# Allegro board C000PD020-3399PRO-DMEB-A-A01.brd (continued)
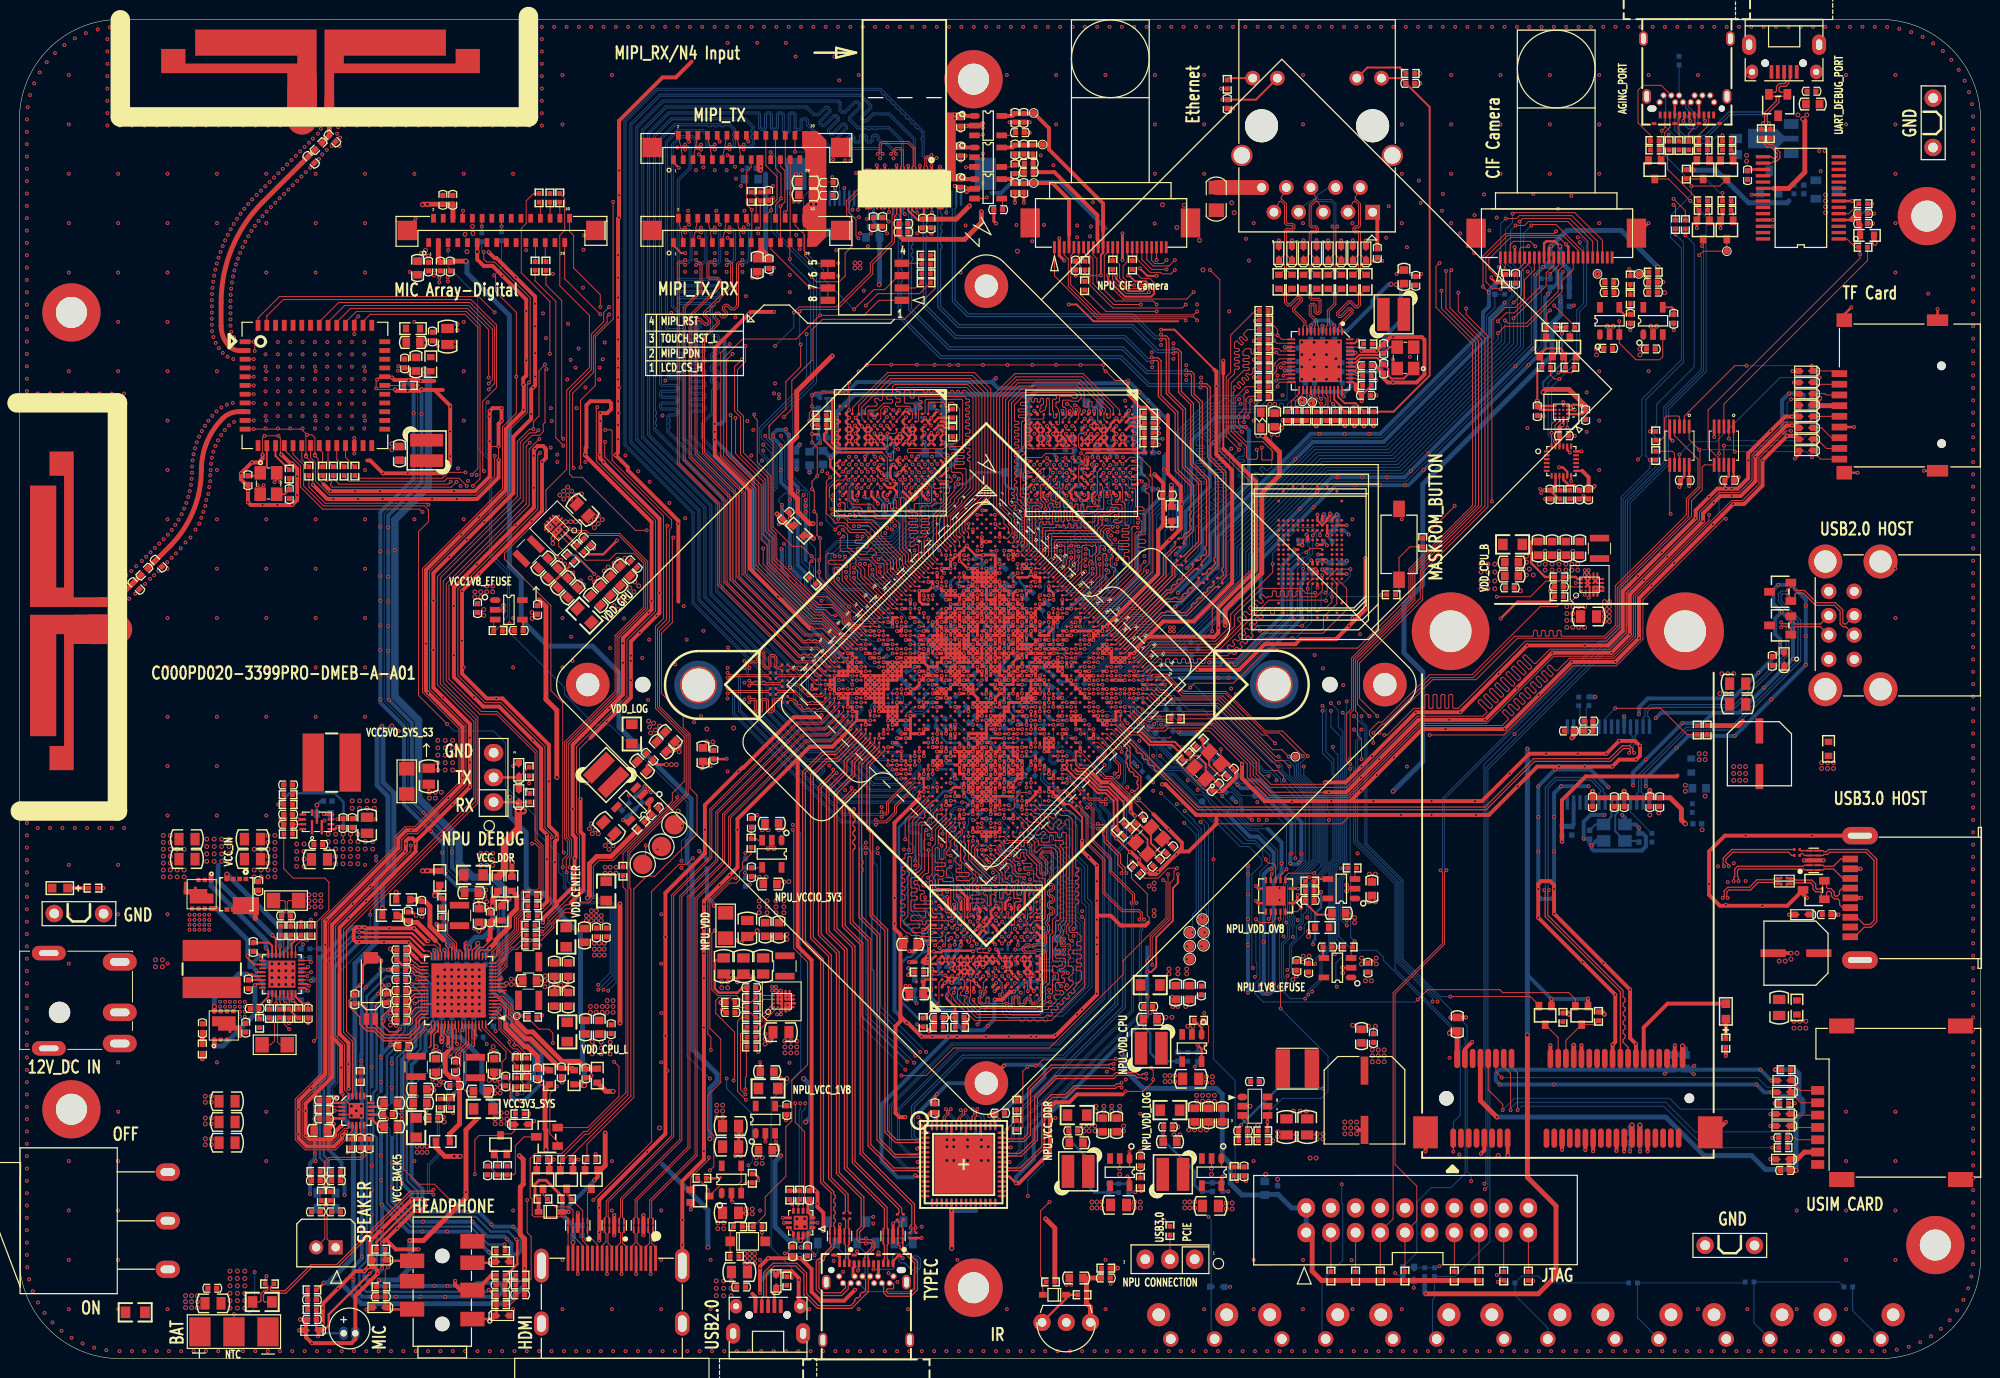
[diagram p0: board, top side]
## Routing (per net, layer and track width the routed paths; a pad name or vN(x,y) marks a point on that pad's centre or on a via; arc(x,y) is an arc through that point) (continued)
I2C1_SDA_1V8: length 291.9
  TOP w0.102: v1(53.39,95.51) 53.14,95.26 52.5,95.26 51.54,94.3 51.54,88.56 43.31,80.33 43.31,69.45 46.96,65.8 46.96,57.36 33.66,44.05 33.66,33.69 34.57,32.78 34.57,27.55 34.67,27.45 U7500.18 ; J4600.21 90.26,117.73 90.04,117.51 90.04,114.87 87.81,112.63 87.81,111.62 84.15,107.96 80.49,107.96 v1(80.29,107.76) ; U9001.A4 158.07,96.58 157.66,96.17 v1(157.66,95.26) 157.66,94.09 157.67,94.08 U9000.24 ; Q9405.2 157.55,102.95 R9429.2 157.55,101.21 157.96,100.8 v1(158.47,100.8) ; U1000.AG1 86.91,75.33 86.69,75.55 85.98,75.55 85.47,76.06 85.47,76.77 83.03,79.21 83.03,79.31 81.92,80.43 81.92,82.15 v1(81.51,82.56) 80.49,83.58 79.55,83.58 77.55,85.58 77.55,94.35 77.14,94.75 77.14,95.97 78.87,97.7 78.87,100.54 80.39,102.07 v1(80.39,104.37) ; J4700.3 153.39,114.61 153.75,114.97 155.47,114.97 v1(155.98,114.46)
  S1 w0.102: v1(155.98,114.46) 156.39,114.06 159.23,114.06 159.94,114.77 159.94,114.97 v1(160.35,115.38) ; v1(53.39,95.51) 53.9,95.01 62.36,95.01 74.8,82.56 v1(81.51,82.56) ; v1(80.39,104.37) 112.15,104.37 114.99,107.2 145.36,107.2 157.3,95.26 v1(157.66,95.26)
  BOTTOM w0.102: v1(80.29,107.76) 80.29,104.47 v1(80.39,104.37) ; v1(160.35,115.38) 160.66,115.38 161.26,114.77 161.26,108.47 160.55,107.76 160.55,102.88 v1(158.47,100.8) 157.66,99.99 v1(157.66,95.26)
I2C1_SDA_3V3: length 112.3
  TOP w0.102: v1(59.77,107.45) 56.11,111.11 J7500.29 ; v1(157.51,107.86) 157.16,107.51 R9430.2 157.16,105.11 Q9405.3
  S1 w0.102: v1(59.77,107.45) 59.77,107.05 60.68,106.13 111.53,106.13 114.63,109.23 124.98,109.23 125.74,108.47 149.63,108.47 150.24,107.86 v1(157.51,107.86)
I2C3_SCL_HDMI: length 123.4
  TOP w0.102: U1000.AK2 86.19,73.49 85.94,73.73 85.34,74.33 84.76,74.33 82.58,76.51 81.76,76.51 76.53,81.75 v1(76.53,83.37) ; Q8200.2 55.66,20.28 R8201.2 56.01,20.48 56.41,20.89 56.8,20.89 62.92,27 62.92,48.32 62.81,48.42 62.81,52.08 68.81,58.08 68.81,64.17 65.86,67.12 65.86,74.86 66.88,75.88 66.88,85.3 67.08,85.51 67.08,86.32 60.99,92.42 60.99,95.46 60.88,95.56 v1(60.27,95.56)
  S1 w0.102: v1(60.27,95.56) 62.5,95.56 74.68,83.37 v1(76.53,83.37)
I2C3_SDA_HDMI: length 104.5
  TOP w0.102: v1(66.68,85.71) 66.57,85.61 66.57,76.01 65.66,75.09 65.66,67.03 68.61,64.09 68.61,58.18 62.61,52.18 62.61,27.13 58.58,23.1 58.21,23.1 56.01,20.89 53.83,20.89 R8203.2 53.22,20.28 Q8201.2 ; U1000.AF6 v1(89.84,73.49)
  S1 w0.089: v1(89.84,73.49) 89.38,73.49 87.87,75 87.62,75.25
  S1 w0.102: 87.62,75.25 85.67,75.25 83.62,77.29 75.4,77.29 66.98,85.71 v1(66.68,85.71)
I2C4_SCL_TP: length 178.1
  TOP w0.102: v1(138.1,61.69) 138.1,63.75 137.69,64.16 137.69,66.41 137.49,66.61 137.49,71.93 143.59,78.02 143.59,80.94 150.44,87.79 150.44,104.87 147.2,108.12 147.2,111.88 v1(147.35,112.02) ; J5101.23 78.3,118.57 v1(78.31,118.58) 78.77,119.04 78.77,122.24 78.3,122.7 J5100.23
  TOP w0.305: U1000.G35 v1(112.82,68.89)
  S1 w0.102: v1(78.31,118.58) 78.56,118.32 85.48,118.32 v1(85.73,118.22) 86.08,117.87 86.79,117.87 87.5,118.58 95.83,118.58 97.05,117.36 120.78,117.36 125.86,112.28 147.09,112.28 v1(147.35,112.02) ; v1(128.35,55.43) 134.14,55.43 137.69,58.99 137.69,61.28 v1(138.1,61.69)
  BOTTOM w0.089: 113.63,68.54 113.28,68.89 v1(112.82,68.89)
  BOTTOM w0.102: v1(128.35,55.43) 128.35,55.33 127.84,54.82 126.72,54.82 125.27,56.27 125.27,56.63 125.58,56.93 125.58,57.49 124.78,58.29 R1121.1 121.23,61.22 118.83,61.22 115.24,64.82 115.24,64.85 115.24,64.85 115.24,65.09 115.23,65.1 115.23,65.61 114.52,66.32 114.52,67.05 113.63,67.94 113.63,68.54 ; J5000.23 85.89,118.69 85.73,118.53 v1(85.73,118.22)
I2C4_SDA_TP: length 175.3
  TOP w0.102: v1(136.93,61.69) 136.93,66.4 137.29,66.76 137.29,72.01 143.38,78.11 143.38,81.04 150.14,87.79 150.14,104.71 146.79,108.06 v1(146.79,111.92) ; J5100.24 78.8,122.87 79.02,122.66 79.02,118.15 78.8,117.93 ; 78.8,117.93 J5101.24 ; 78.8,117.93 v1(78.77,117.97) ; U1000.F36 v1(113.74,68.89)
  S1 w0.102: v1(146.79,111.92) 146.69,112.02 125.7,112.02 120.57,117.16 96.9,117.16 95.68,118.37 87.71,118.37 86.79,117.46 v1(86.39,117.46) 85.57,117.46 85.06,117.97 v1(78.77,117.97) ; v1(136.93,61.69) 137.39,61.22 137.39,61.21 137.49,61.11 137.49,60.41 137.19,60.11 132.51,60.11 127.94,55.54 127.64,55.54 v1(127.53,55.43)
  BOTTOM w0.089: v1(113.74,68.89) 113.82,68.82 113.82,68.03 114.73,67.12 114.73,66.41 115.19,65.95
  BOTTOM w0.102: v1(127.53,55.43) 127.53,55.54 126.61,56.46 R1120.1 125.79,57.58 124.49,58.89 123.88,58.89 121.29,61.48 118.87,61.48 115.45,64.9 115.45,64.93 115.44,64.93 115.44,65.7 115.19,65.95 ; v1(86.39,117.46) 85.88,117.46 85.27,118.07 85.27,118.37 85.39,118.49 J5000.24
I2C8_SCL_CC: length 130.8
  TOP w0.102: U1000.H32 v1(110.98,69.81) ; U2600.6 v1(80.14,15.91) 80.14,16.23 R2601.2
  S1 w0.089: v1(110.98,69.81) 111.12,69.95 111.58,69.95 111.77,70.14 112.04,70.14 112.23,69.95 112.5,69.95 112.68,70.14 112.96,70.14 113.15,69.95 113.41,69.95 113.6,70.14 113.88,70.14 114.07,69.95 114.34,69.95 114.52,70.14 114.79,70.14 114.98,69.95 115.26,69.95 115.44,70.14 115.71,70.14 115.99,69.86 118.08,69.86 118.59,69.35
  S1 w0.102: 118.59,69.35 121.34,66.61 133.48,66.61 134.04,67.17 v1(134.09,67.17) ; v1(80.85,26.27) 81.25,25.87 85.45,25.87 88.3,23.02 99.39,23.02 99.9,22.52 104.27,22.52 105.49,23.73 107.06,23.73 108.33,25 108.33,27.9 113.72,33.28 127.74,33.28 132.31,37.86 132.92,37.86 v1(133.02,37.76)
  BOTTOM w0.102: v1(134.09,67.17) 134.44,66.81 134.44,62.44 135.26,61.63 135.26,60.23 135.56,59.92 135.56,51.25 135.15,50.84 135.15,42.33 134.04,41.21 134.04,38.97 133.02,37.96 v1(133.02,37.76) ; v1(80.85,26.27) 80.85,25.72 80.49,25.36 80.49,16.26 v1(80.14,15.91)
I2C8_SDA_CC: length 131.3
  TOP w0.102: U2600.7 79.64,15.75 v1(79.48,15.91) 79.27,16.11 R2602.2 ; U1000.J33 v1(110.98,68.89)
  S1 w0.089: v1(110.98,68.89) 110.98,69.35 111.31,69.68 111.58,69.68 111.83,69.43 115.5,69.43 116.09,68.84 118.08,68.84
  S1 w0.102: v1(134.09,66.66) 133.83,66.41 121.17,66.41 118.73,68.84 118.08,68.84 ; v1(80.34,26.27) 80.95,25.66 85.37,25.66 89.84,21.19 104.81,21.19 108.53,24.92 108.53,27.8 113.82,33.08 127.84,33.08 132.21,37.45 v1(132.61,37.45)
  BOTTOM w0.102: v1(134.09,66.66) 134.09,62.29 135.05,61.33 135.05,60.14 135.36,59.84 135.36,51.33 134.95,50.93 134.95,42.43 133.83,41.31 133.83,39.08 132.61,37.86 v1(132.61,37.45) ; v1(80.34,26.27) 80.34,25.61 80.24,25.51 80.24,16.67 v1(79.48,15.91)
I2S0_LRCK_RX: length 168.1
  TOP w0.102: U7500.7 34.27,23.49 33.55,22.77 33.55,22.51 32.52,21.47 29.41,21.47 28.38,22.51 28.38,26.69 31.12,29.42 31.12,45.16 38.63,52.68 38.63,53.7 39.66,54.72 40.66,54.72 45.24,59.3 45.24,64.83 41.48,68.58 41.48,81.3 49.71,89.53 49.71,95.87 51.13,97.29 v1(51.13,101.05) 51.13,107.66 49,109.79 49,111.31 v1(48.84,111.47) ; v1(73.18,97.09) 73.28,96.99 73.28,92.92 76.33,89.88 76.33,84.29 76.94,83.68 76.94,81.75 81.86,76.82 82.57,76.82 84.86,74.53 85.58,74.53 U1000.AK1
  S1 w0.102: v1(51.13,101.05) 51.49,101.41 68.86,101.41 v1(73.18,97.09)
  BOTTOM w0.102: v1(48.84,111.47) 49.61,112.23 R7501.2
I2S0_SCLK: length 168.8
  TOP w0.102: U7500.6 33.87,23.8 33.76,23.69 33.46,23.69 32.84,23.07 32.84,22.8 32.23,22.19 29.71,22.19 29.09,22.8 29.09,26.39 31.83,29.13 31.83,44.87 39.34,52.39 39.34,53.4 39.95,54.01 40.96,54.01 45.95,59 45.95,65.12 42.19,68.88 42.19,81 50.42,89.23 50.42,95.53 52.25,97.36 52.25,100.24 v1(52.45,100.44) 52.55,100.54 52.55,109.18 48.89,112.84 48.08,112.84 47.78,113.14 v1(47.78,113.85) ; U1000.AG3 v1(88,74.41)
  S1 w0.102: v1(78.36,94.96) 77.34,95.97 75.01,95.97 74.8,95.77 68.1,95.77 63.53,100.34 52.55,100.34 v1(52.45,100.44)
  BOTTOM w0.102: v1(78.36,94.96) 78.36,94.75 78.77,94.35 78.77,90.38 79.68,89.47 79.68,81.54 80.8,80.43 80.8,79.41 81.81,78.4 82.63,78.4 85.98,75.04 86.79,75.04 87.43,74.41 v1(88,74.41) ; v1(47.78,113.85) 47.57,114.06 R7500.2
I2S0_SDI0: length 66.3
  TOP w0.102: U1000.Y7 v1(93.52,76.25) ; R7502.2 53.06,110.91 55.19,108.77 55.19,94.75 56.01,93.94 v1(55.96,93.94)
  S1 w0.089: 89.66,75.98 89.98,75.67 89.98,75.65 90.38,75.25 90.38,75.25 90.63,75 90.89,75 91.14,75.25 91.57,75.25 91.87,74.94 92.67,74.94 U1000.Y7 v1(93.52,76.25)
  S1 w0.102: 89.66,75.98 88.77,76.87 87.81,76.87 86.49,78.19 85.17,78.19 84.35,79 83.71,79 82.69,80.02 76.4,80.02 62.63,93.79 56.16,93.79 56.06,93.89 56.06,93.94 v1(55.96,93.94)
I2S0_SDI1: length 73.9
  TOP w0.102: U1000.AL1 85.17,74.03 84.76,74.03 82.61,76.17 81.69,76.17 76.09,81.77 76.09,89.7 72.77,93.02 72.77,102.78 v1(73.38,103.39) ; v1(54.58,103.39) 54.58,108.77 51.64,111.72 51.64,116.29 52.15,116.8 52.15,119.14 52.9,119.89 R7503.2
  S1 w0.102: v1(54.58,103.39) v1(73.38,103.39)
I2S0_SDI2: length 62.7
  TOP w0.102: U1000.AA6 v1(92.14,75.79) ; R7504.2 54.18,110.5 55.8,108.88 55.8,94.8 55.96,94.65 v1(55.96,94.65)
  S1 w0.089: v1(92.14,75.79) 91.67,75.79 91.35,76.11 91.08,76.11 90.9,75.92 90.62,75.92 90.43,76.11 90.43,76.11 90.26,76.27
  S1 w0.102: v1(55.96,94.65) 56.11,94.65 56.77,93.99 62.71,93.99 76.48,80.22 82.78,80.22 83.79,79.21 84.46,79.21 85.27,78.4 86.79,78.4 88.01,77.18 89.36,77.18 90.26,76.27
I2S0_SDI3_SPKLOOP: length 142
  TOP w0.102: v1(36.09,45.68) 36.09,46.09 47.17,57.16 47.17,66 43.61,69.56 43.61,80.02 51.84,88.25 51.84,94.09 52.76,95.01 53.52,95.01 53.9,95.39 53.9,96.15 54.08,96.33 54.08,101.66 v1(54.23,101.81) ; v1(32.44,25.51) U7500.3 ; v1(75.62,97.14) 75.62,96.89 75.92,96.58 75.92,92.21 77.34,90.79 77.34,85.41 77.85,84.9 77.85,82.36 81.81,78.4 83.13,78.4 85.06,76.46 85.06,75.86 85.78,75.14 86.36,75.14 86.86,74.65 87.1,74.41 U1000.AH2
  S1 w0.102: v1(54.23,101.81) 54.43,101.61 69.27,101.61 73.38,97.5 75.26,97.5 v1(75.62,97.14)
  BOTTOM w0.102: v1(36.09,45.68) 36.09,42.94 32.74,39.58 32.74,28.41 32.23,27.9 32.23,25.71 v1(32.44,25.51)
I2S1_LRCK: length 106.8
  TOP w0.102: U1000.AA7 v1(92.6,75.33) ; R1504.2 81.29,81.84 v1(81.51,82.05) ; R2127.2 53.9,43.57 54.79,44.46 54.79,44.87 56.21,46.29 56.62,46.29 57.23,46.9 58.55,46.9 59.06,47.41 59.06,50.66 59.66,51.27 61.05,51.27 61.1,51.32 61.14,51.32 67.18,57.36 67.18,58.18 68.4,59.4 68.4,63.97 65.46,66.91 65.46,75.35 66.27,76.16 66.27,86.73 60.22,92.77 60.22,94.34 v1(60.27,94.34)
  S1 w0.089: 88.42,77.38 89.74,77.38 90.55,76.57 91.81,76.57 91.82,76.57 92.08,76.57 92.6,76.04 v1(92.6,75.33)
  S1 w0.102: v1(60.27,94.34) 60.37,94.24 62.76,94.24 74.96,82.05 v1(81.51,82.05) 81.92,81.65 82.22,81.65 82.73,81.14 82.73,80.63 83.95,79.41 84.56,79.41 85.37,78.6 87.1,78.6 88.32,77.38 88.42,77.38
I2S1_SCLK: length 106.4
  TOP w0.102: U1000.AF3 v1(88.46,74.87) ; v1(59.46,97.9) 59.36,97.8 59.36,92.35 65.46,86.25 65.46,76.91 62.51,73.96 62.51,68.13 57.33,62.95 57.33,54.11 57.63,53.81 57.63,48.52 54.38,45.27 54.38,44.77 53.98,44.36 53.28,44.36 R2126.2
  S1 w0.102: v1(59.46,97.9) 62.47,97.9 71.01,89.37 79.17,89.37 79.68,88.86 v1(80.7,88.86)
  BOTTOM w0.102: v1(80.7,88.86) 80.49,88.66 80.49,81.95 81.41,81.04 81.41,79.51 82.12,78.8 82.83,78.8 86.18,75.45 87.1,75.45 87.2,75.35 88.01,75.35 88.46,74.9 v1(88.46,74.87)
I2S1_SDI: length 102.4
  TOP w0.102: R2131.2 53.21,47.76 53.67,48.23 53.67,52.69 53.06,53.3 53.06,62.34 49.1,66.3 47.37,66.3 43.92,69.76 43.92,79.72 52.15,87.95 52.15,93.89 v1(52.5,94.24) ; U1000.AD6 v1(90.76,74.41)
  S1 w0.089: 89.23,75.14 90.04,74.33 90.68,74.33 v1(90.76,74.41)
  S1 w0.102: v1(52.5,94.24) 53.61,94.24 53.76,94.09 54.81,94.09 55.02,93.88 55.02,93.86 55.49,93.38 62.46,93.38 76.23,79.61 82.52,79.61 83.54,78.6 84.15,78.6 84.96,77.79 86.18,77.79 87.71,76.26 88.11,76.26 89.23,75.14
I2S1_SDO: length 103.8
  TOP w0.102: v1(53.51,94.64) 52.45,93.58 52.45,87.82 44.2,79.56 44.2,69.91 47.52,66.59 49.15,66.59 53.26,62.47 53.26,53.4 53.87,52.79 53.87,47.44 53.21,46.77 R2130.2 ; U1000.AC6 v1(91.22,74.87)
  S1 w0.089: v1(91.22,74.87) 91.09,74.74 90.63,74.74 90.42,74.53 90.14,74.53 89.43,75.25
  S1 w0.102: v1(53.51,94.64) 53.85,94.3 54.89,94.3 55.22,93.97 55.22,93.94 55.58,93.58 62.54,93.58 76.31,79.82 82.61,79.82 83.63,78.8 84.25,78.8 85.06,77.99 86.28,77.99 87.71,76.57 88.11,76.57 89.43,75.25
I2S_CLK: length 148.2
  TOP w0.102: v1(53.57,93.2) 53.34,92.98 53.34,87.41 45.11,79.18 45.11,70.29 47.9,67.5 49.53,67.5 54.08,62.95 54.08,54.62 54.79,53.91 v1(54.79,53.66) 54.69,53.55 54.69,46.8 53.47,45.58 R2125.2 ; U1000.AC7 v1(91.68,74.41) ; U7500.20 33.87,27.24 33.45,27.65 33.45,32.31 32.54,33.23 32.54,44.52 40.26,52.24 v1(40.26,52.79)
  S1 w0.089: v1(91.68,74.41) 91.22,74.41 90.84,74.03 90.04,74.03 89.13,74.94
  S1 w0.102: v1(53.57,93.2) 54.15,92.62 61.59,92.62 75.41,78.8 82.63,78.8 83.24,78.19 83.95,78.19 85.27,76.87 86.59,76.87 87.4,76.06 88.01,76.06 89.13,74.94 ; v1(54.79,53.66) 54.79,53.6 54.58,53.4 45.58,53.4 44.66,52.49 40.57,52.49 v1(40.26,52.79)
IR_RX: length 136.8
  TOP w0.102: U1000.H36 v1(112.82,67.97) ; v1(105.99,16.11) 105.08,15.2 105.08,8.45 R9020.2 105.3,7.54 D9000.1
  S1 w0.102: v1(137.33,66.1) 137.13,65.9 136.85,65.9 136.75,65.8 124.81,65.8 122.47,63.46 117.68,63.46 116.05,65.09 116.05,65.59 113.79,67.85 112.94,67.85 v1(112.82,67.97) ; v1(105.99,16.11) 105.99,15.81 106.81,15 128.96,15 131.5,17.54 148.67,17.54 v1(149.38,18.25)
  BOTTOM w0.102: v1(149.38,18.25) 149.38,18.86 148.97,19.26 148.97,34.22 142.16,41.02 142.16,49.15 138.45,52.86 138.45,64.98 v1(137.33,66.1)
JTAG_TCK: length 123.6
  TOP w0.102: R9715.2 v1(167.77,95.41) ; R9736.1 v1(171.42,115.58) ; v1(146.84,50.25) 146.63,50.05 146.63,42.63 141.55,37.55 141.55,19.98 143.79,17.74 143.79,14.18 J9710.9 R9731.2
  BOTTOM w0.102: v1(171.42,115.58) 172.34,114.67 172.34,102.07 168.48,98.2 168.48,96.12 v1(167.77,95.41) 168.68,94.49 168.68,92.11 165.02,88.45 165.02,75.57 163.08,73.62 162.67,73.62 146.63,57.58 146.63,50.46 v1(146.84,50.25)
JTAG_TCK_PORT: length 15.4
  TOP w0.102: R9736.2 171.42,118.12 v1(170.21,119.34)
  S1 w0.102: J9702.B10 173.56,129.6 173.56,128.81 174.17,128.2 174.17,125.93 170.82,122.57 170.82,119.95 v1(170.21,119.34)
JTAG_TMS: length 121.9
  TOP w0.102: R9717.2 v1(167.77,92.47) ; R9730.2 J9710.7 140.03,13.07 141.35,14.39 141.35,37.64 146.43,42.72 146.43,50.05 v1(146.24,50.24) ; R9737.1 v1(170.41,115.68)
  BOTTOM w0.102: v1(170.41,115.68) 171.22,114.87 171.22,102.53 167.36,98.67 167.36,92.88 v1(167.77,92.47) 167.77,91.6 164.82,88.66 164.82,75.65 162.99,73.82 162.59,73.82 146.43,57.67 146.43,50.44 v1(146.24,50.24)
JTAG_TMS_PORT: length 15
  TOP w0.102: R9737.2 170.41,118.53 v1(170.21,118.73)
  S1 w0.102: J9702.B11 173.76,129.76 173.76,128.89 174.37,128.28 174.37,125.84 171.02,122.49 171.02,119.54 v1(170.21,118.73)
LCD_BL_EN_H: length 152.3
  TOP w0.102: v1(120.47,69.05) 120.93,69.51 124.92,69.51 128.52,73.11 137.69,73.11 142.98,78.4 142.98,81.24 149.53,87.79 149.53,104.4 145.77,108.16 145.77,112.38 v1(146.13,112.74) ; U1000.D38 v1(115.58,68.89) ; J5101.22 77.8,118.73 78.36,119.29 v1(78.36,119.39) 78.36,121.93 77.8,122.49 J5100.22
  S1 w0.102: v1(78.36,119.39) 78.51,119.54 84.96,119.54 v1(86.28,118.22) 86.59,118.22 87.15,118.78 95.99,118.78 97.21,117.56 120.93,117.56 125.96,112.53 145.92,112.53 v1(146.13,112.74)
  BOTTOM w0.102: v1(120.47,69.05) 120.47,69.1 120.12,68.74 115.73,68.74 v1(115.58,68.89) ; v1(86.28,118.22) 86.28,118.58 86.39,118.68 J5000.22
LCD_BL_PWM: length 109.5
  TOP w0.102: v1(61.09,119.04) 61.09,106.96 59.26,105.13 59.26,100.14 57.73,98.61 v1(57.73,91.7) ; J5100.17 75.3,122.58 74.8,122.08 74.8,118.78 v1(75.36,118.22) 75.36,114.9 J5101.17 ; U1000.AF5 v1(89.38,73.95)
  S1 w0.089: 88.01,75.55 88.27,75.55 89.38,74.43 v1(89.38,73.95)
  S1 w0.102: 88.01,75.55 85.78,75.55 83.74,77.58 75.77,77.58 75.31,78.04 75.16,78.04 67.65,85.56 67.42,85.56 66.92,86.06 65.76,86.06 60.32,91.5 60.24,91.5 60.19,91.55 57.89,91.55 v1(57.73,91.7) ; v1(89.43,117) 89.13,116.7 85.47,116.7 84.91,117.26 76.33,117.26 v1(75.36,118.22) 74.55,119.04 v1(61.09,119.04)
  BOTTOM w0.102: v1(89.43,117) 88.89,117.55 J5000.17
LCD_CS/MIPI_PDN: length 9.5
  TOP w0.102: S5100.8 S5100.7 81.33,110.17 77.3,114.2 J5101.21
LCD_CS_H: length 77.1
  TOP w0.102: U1000.AL2 85.73,73.03 85.49,73.27 85.04,73.72 84.76,73.72 82.61,75.87 81.57,75.87 75.79,81.65 75.79,89.57 72.47,92.89 72.47,102.98 74.4,104.91 79.93,104.91 v1(82.37,107.35) 86.89,107.35 88.44,108.9 S5100.1 ; J5100.21 v1(77.3,124.15)
  BOTTOM w0.102: v1(82.37,107.35) 82.37,111.47 77.95,115.89 77.95,123.51 77.31,124.15 v1(77.3,124.15)
LCD_PWREN_H: length 74.6
  TOP w0.102: J5101.20 76.8,117.63 v1(77.34,118.17) 77.37,118.2 77.37,118.7 77.95,119.29 77.95,121.63 76.8,122.78 J5100.20 ; U1000.AF4 v1(88.92,74.41)
  S1 w0.102: v1(77.34,118.17) 78.05,117.46 85.17,117.46 85.52,117.1 87.05,117.1 v1(87.2,117.26)
  BOTTOM w0.102: v1(77.34,118.17) 77.34,116.09 82.02,111.42 82.02,100.44 79.58,98 79.58,90.79 81.31,89.06 81.31,83.98 81.92,83.37 81.92,80.33 82.58,79.67 82.88,79.67 84.86,77.68 84.86,77.38 85.37,76.87 85.78,76.87 86.28,76.36 86.28,75.86 86.49,75.65 88.32,75.65 88.92,75.05 v1(88.92,74.41) ; v1(87.2,117.26) 87.39,117.45 J5000.20
LED0_AD0: length 52.6
  TOP w0.203: v1(137.29,97.9) 137.37,97.82 R6515.1 R6516.2 136.02,97.81 136.02,97.95 135.28,98.69 U6500.34 ; J6500.13 127.23,129.54 C6504.1 v1(123.77,129.54)
  POWER2 w0.203: v1(137.29,97.9) 136.78,97.39 130.68,97.39 127.74,100.34 127.74,109.38 123.77,113.35 v1(123.77,129.54)
LED1_AD1: length 46.1
  TOP w0.203: U6500.35 135.68,99 136.37,98.31 137.48,98.31 R6514.2 R6513.1 141.39,97.44 145.11,101.15 145.11,128.78 C6505.1 142.14,131.76 J6500.11
LED2_RXDLY: length 3.4
  TOP w0.102: U6500.32 134.48,99.22 134.65,99.06 134.65,97.65 R6523.2 R6522.1
MAC_CLK: length 52
  TOP w0.102: R6510.1 v1(139.62,104.4)
  TOP w0.305: U1000.G24 v1(107.77,73.95)
  S1 w0.089: 110.97,75.56 110.27,75.56 108.66,73.95 v1(107.77,73.95)
  S1 w0.102: v1(139.62,104.4) 136.45,104.4 135.94,103.9 131.62,103.9 130.71,102.98 128.42,102.98 122.56,97.11 122.56,85.81 112.62,75.88 111.3,75.88 110.99,75.56 110.97,75.56
MAC_MDC: length 51.5
  TOP w0.102: U6500.30 133.68,99.02 v1(133.93,98.77) ; U1000.F30 v1(110.98,71.65)
  S1 w0.089: 113.31,73.21 111.75,71.65 v1(110.98,71.65)
  S1 w0.102: 113.31,73.21 113.61,73.52 113.61,73.82 119,79.21 120.73,79.21 125.76,84.24 125.76,89.01 126.11,89.37 126.26,89.37 126.57,89.06 126.71,89.06 126.86,89.2 126.86,89.34 126.54,89.66 126.54,89.8 126.69,89.94 126.83,89.94 127.14,89.63 127.29,89.63 127.43,89.77 127.43,89.92 127.12,90.23 127.12,90.37 127.26,90.52 127.41,90.52 127.72,90.21 127.86,90.21 128.01,90.35 128.01,90.49 127.69,90.81 127.69,90.95 127.84,91.09 127.98,91.09 128.29,90.78 128.44,90.78 128.58,90.92 128.58,91.07 128.27,91.38 128.27,91.53 128.41,91.67 128.56,91.67 128.87,91.36 129.01,91.36 129.16,91.5 129.16,91.64 128.84,91.96 128.84,92.1 128.99,92.24 129.13,92.24 129.44,91.93 129.59,91.93 129.73,92.07 129.73,92.22 129.42,92.53 129.42,92.68 129.56,92.82 129.71,92.82 130.02,92.51 130.16,92.51 130.31,92.65 130.31,92.79 129.99,93.11 129.99,93.25 130.14,93.39 130.28,93.39 130.59,93.08 130.74,93.08 130.88,93.22 130.88,93.37 130.57,93.68 130.57,93.83 130.71,93.97 130.86,93.97 131.17,93.66 131.31,93.66 131.46,93.8 131.46,93.94 131.14,94.26 131.14,94.4 131.29,94.54 131.43,94.54 131.74,94.23 131.89,94.23 132.03,94.37 132.03,94.52 131.72,94.83 131.72,94.98 131.86,95.12 132.01,95.12 132.32,94.81 132.46,94.81 132.61,94.95 132.61,95.09 132.29,95.41 132.29,95.55 134.34,97.6 134.34,98.41 134.04,98.72 133.99,98.72 v1(133.93,98.77)
MAC_MDIO: length 55
  TOP w0.102: U1000.G26 v1(108.68,73.03) ; U6500.31 134.08,99.12 134.44,98.76 134.44,98.21 134.14,97.9 133.32,97.9 v1(132.92,98.31) 132.51,97.9 132.51,97.48 R6534.2
  S1 w0.089: v1(108.68,73.03) 108.68,73.67 110.21,75.19 110.66,75.19 111.31,74.54 112.41,74.54 112.9,75.04
  S1 w0.102: 112.9,75.04 118.8,80.94 120.32,80.94 123.57,84.19 123.57,85.46 123.67,85.56 124.08,85.56 124.18,85.66 124.18,85.86 124.08,85.97 123.67,85.97 123.57,86.07 123.57,86.27 123.67,86.37 124.08,86.37 124.18,86.47 124.18,86.68 124.08,86.78 123.67,86.78 123.57,86.88 123.57,87.08 123.67,87.19 124.08,87.19 124.18,87.29 124.18,87.49 124.08,87.59 123.67,87.59 123.57,87.69 123.57,87.9 123.67,88 124.08,88 124.18,88.1 124.18,88.3 124.08,88.4 123.67,88.4 123.57,88.51 123.57,88.71 123.67,88.81 124.08,88.81 124.18,88.91 124.18,89.12 124.08,89.22 123.67,89.22 123.57,89.32 123.57,89.52 123.67,89.62 124.08,89.62 124.18,89.73 124.18,89.93 124.08,90.03 123.67,90.03 123.57,90.13 123.57,90.59 123.86,90.88 124.01,90.88 124.27,90.62 124.41,90.62 124.56,90.76 124.56,90.9 124.29,91.17 124.29,91.31 124.44,91.45 124.58,91.45 124.84,91.19 124.99,91.19 125.13,91.33 125.13,91.48 124.87,91.74 124.87,91.88 125.01,92.03 125.16,92.03 125.42,91.77 125.56,91.77 125.71,91.91 125.71,92.05 125.44,92.32 125.44,92.46 125.59,92.6 125.73,92.6 125.99,92.34 126.14,92.34 126.28,92.48 126.28,92.63 126.02,92.89 126.02,93.03 126.16,93.18 126.31,93.18 126.57,92.92 126.71,92.92 126.86,93.06 126.86,93.2 126.59,93.47 126.59,93.61 127.23,94.24 129.28,94.24 132.51,97.48 132.51,97.9 v1(132.92,98.31)
MAC_RXCLK: length 53.5
  TOP w0.102: v1(126.01,96.37) 126.01,97.13 126.21,97.33 126.21,98.71 126.52,99.02 R6539.2 ; U1000.F26 v1(109.14,73.49)
  BOTTOM w0.102: v1(109.14,73.49) 109.14,74.61 111.23,76.69 113.54,76.69 114.12,77.28 114.83,77.28 118.49,80.94 118.49,83.58 119.58,84.67 119.58,87.39 121.08,88.89 121.08,89.9 121.17,89.99 121.88,89.99 121.97,90.08 121.97,90.2 121.88,90.29 121.17,90.29 121.08,90.38 121.08,90.51 121.17,90.6 121.88,90.6 121.97,90.69 121.97,90.81 121.88,90.9 121.17,90.9 121.08,90.99 121.08,91.12 121.17,91.21 121.88,91.21 121.97,91.3 121.97,91.42 121.88,91.51 121.17,91.51 121.08,91.6 121.08,91.73 121.17,91.82 121.88,91.82 121.97,91.91 121.97,92.03 121.88,92.12 121.17,92.12 121.08,92.21 121.08,92.34 121.17,92.43 121.88,92.43 121.97,92.52 121.97,92.64 121.88,92.73 121.17,92.73 121.08,92.82 121.08,92.95 121.17,93.04 121.88,93.04 121.97,93.12 121.97,93.25 121.88,93.34 121.17,93.34 121.08,93.43 121.08,93.56 121.17,93.65 121.88,93.65 121.97,93.73 121.97,93.86 121.88,93.95 121.17,93.95 121.08,94.04 121.08,94.37 121.56,94.84 121.68,94.84 122.19,94.34 122.32,94.34 122.41,94.43 122.41,94.55 121.9,95.06 121.9,95.19 121.99,95.28 122.11,95.28 122.62,94.77 122.75,94.77 122.84,94.86 122.84,94.98 122.33,95.49 122.33,95.62 122.42,95.71 122.54,95.71 123.05,95.2 123.18,95.2 123.27,95.29 123.27,95.41 122.76,95.92 122.76,96.05 123.08,96.37 v1(126.01,96.37)
MAC_RXD0: length 54.5
  TOP w0.102: R6535.2 126.38,105.89 125.96,105.47 125.96,105.35 126.34,104.97 126.34,104.84 126.25,104.75 126.13,104.75 125.75,105.13 125.62,105.13 125.53,105.04 125.53,104.92 125.91,104.54 125.91,104.41 125.82,104.32 125.7,104.32 125.31,104.7 125.19,104.7 125.02,104.53 125.02,104.03 125.11,103.94 125.44,103.94 125.53,103.86 125.53,103.73 125.44,103.64 125.11,103.64 125.02,103.55 125.02,103.42 125.11,103.34 125.44,103.34 125.53,103.25 125.53,103.12 125.44,103.03 125.11,103.03 125.02,102.94 125.02,102.81 125.11,102.73 125.44,102.73 125.53,102.64 125.53,102.51 125.44,102.42 125.11,102.42 125.02,102.33 125.02,102.21 125.11,102.12 125.44,102.12 125.53,102.03 125.53,101.9 125.44,101.81 125.11,101.81 125.02,101.72 125.02,101.36 124.38,100.72 124.38,95.26 v1(125.6,94.04) ; U1000.F27 v1(109.6,73.03)
  BOTTOM w0.089: 111.79,74.74 111.99,74.94 112.29,74.94
  BOTTOM w0.102: 112.29,74.94 113,74.94 114.43,76.36 115.85,76.36 119.71,80.22 119.71,81.54 121.31,83.14 121.31,85.39 126.04,90.11 126.04,90.62 125.95,90.71 125.49,90.71 125.4,90.8 125.4,90.92 125.49,91.01 125.95,91.01 126.04,91.1 126.04,91.23 125.95,91.32 125.49,91.32 125.4,91.41 125.4,91.53 125.49,91.62 125.95,91.62 126.04,91.71 126.04,91.84 125.95,91.93 125.49,91.93 125.4,92.02 125.4,92.14 125.49,92.23 125.95,92.23 126.04,92.32 126.04,92.45 125.95,92.54 125.49,92.54 125.4,92.63 125.4,92.75 125.49,92.84 125.95,92.84 126.04,92.93 126.04,93.61 v1(125.6,94.04) ; v1(109.6,73.03) 110.08,73.03 111.79,74.74
MAC_RXD1: length 51.6
  TOP w0.102: v1(127.33,93.53) 127.4,93.47 127.4,92.69 127.25,92.54 126.47,92.54 126.26,92.75 126.26,93.89 124.69,95.46 124.69,100.39 126,101.69 126.45,101.69 126.54,101.78 126.54,101.91 126.45,101.99 126,101.99 125.91,102.08 125.91,102.21 126,102.3 126.45,102.3 126.54,102.39 126.54,102.51 126.45,102.6 126,102.6 125.91,102.69 125.91,102.82 126,102.91 126.45,102.91 126.54,103 126.54,103.12 126.45,103.21 126,103.21 125.91,103.3 125.91,103.64 126.19,103.93 126.64,103.93 126.73,103.84 126.73,103.48 126.82,103.39 126.95,103.39 127.04,103.48 127.04,103.84 127.12,103.93 R6536.2 ; U1000.H27 v1(108.68,72.11)
  S1 w0.102: v1(108.68,72.11) 109.26,72.11 111.48,74.33 112.5,74.33 118.8,80.63 120.42,80.63 124.54,84.75 124.54,90.13 127.33,92.92 v1(127.33,93.53)
MAC_RXD2: length 50.1
  TOP w0.102: R6537.2 127.03,101.97 126.92,101.86 126.92,101.46 126.71,101.24 126.58,101.24 126.44,101.38 126.31,101.38 126.22,101.29 126.22,101.17 126.49,100.9 126.49,100.77 126.4,100.68 126.28,100.68 126.01,100.95 125.88,100.95 125.79,100.86 125.79,100.73 126.06,100.47 126.06,100.34 125.97,100.25 125.84,100.25 125.58,100.52 125.45,100.52 125.36,100.43 125.36,100.3 125.63,100.03 125.63,99.91 125.54,99.82 125.41,99.82 125.15,100.09 125.02,100.09 124.93,100 124.93,99.87 125.07,99.73 125.07,99.6 124.9,99.43 124.9,95.66 126.21,94.35 127.97,94.35 128.96,93.36 128.96,92.56 128.85,92.46 127.94,92.46 127.84,92.56 v1(127.84,93.74) ; U1000.F29 v1(110.52,72.11)
  S1 w0.102: v1(127.84,93.74) 127.84,92.92 124.82,89.91 124.82,84.63 120.52,80.33 118.9,80.33 112.7,74.13 111.58,74.13 110.52,73.07 v1(110.52,72.11)
